# Altium PCB PIC32MZ_cam.PcbDoc (part 3 of 4)
Units mm, origin at the board's own origin, x right, y up, seen from the top; angles counter-clockwise.
Board outline 61.35 x 22.68 mm, 2 copper layers (Top Layer, Bottom Layer); 224 components, 62 nets, 1546 pads, 748 vias.
Unrouted connection lines stored in the file: 95.
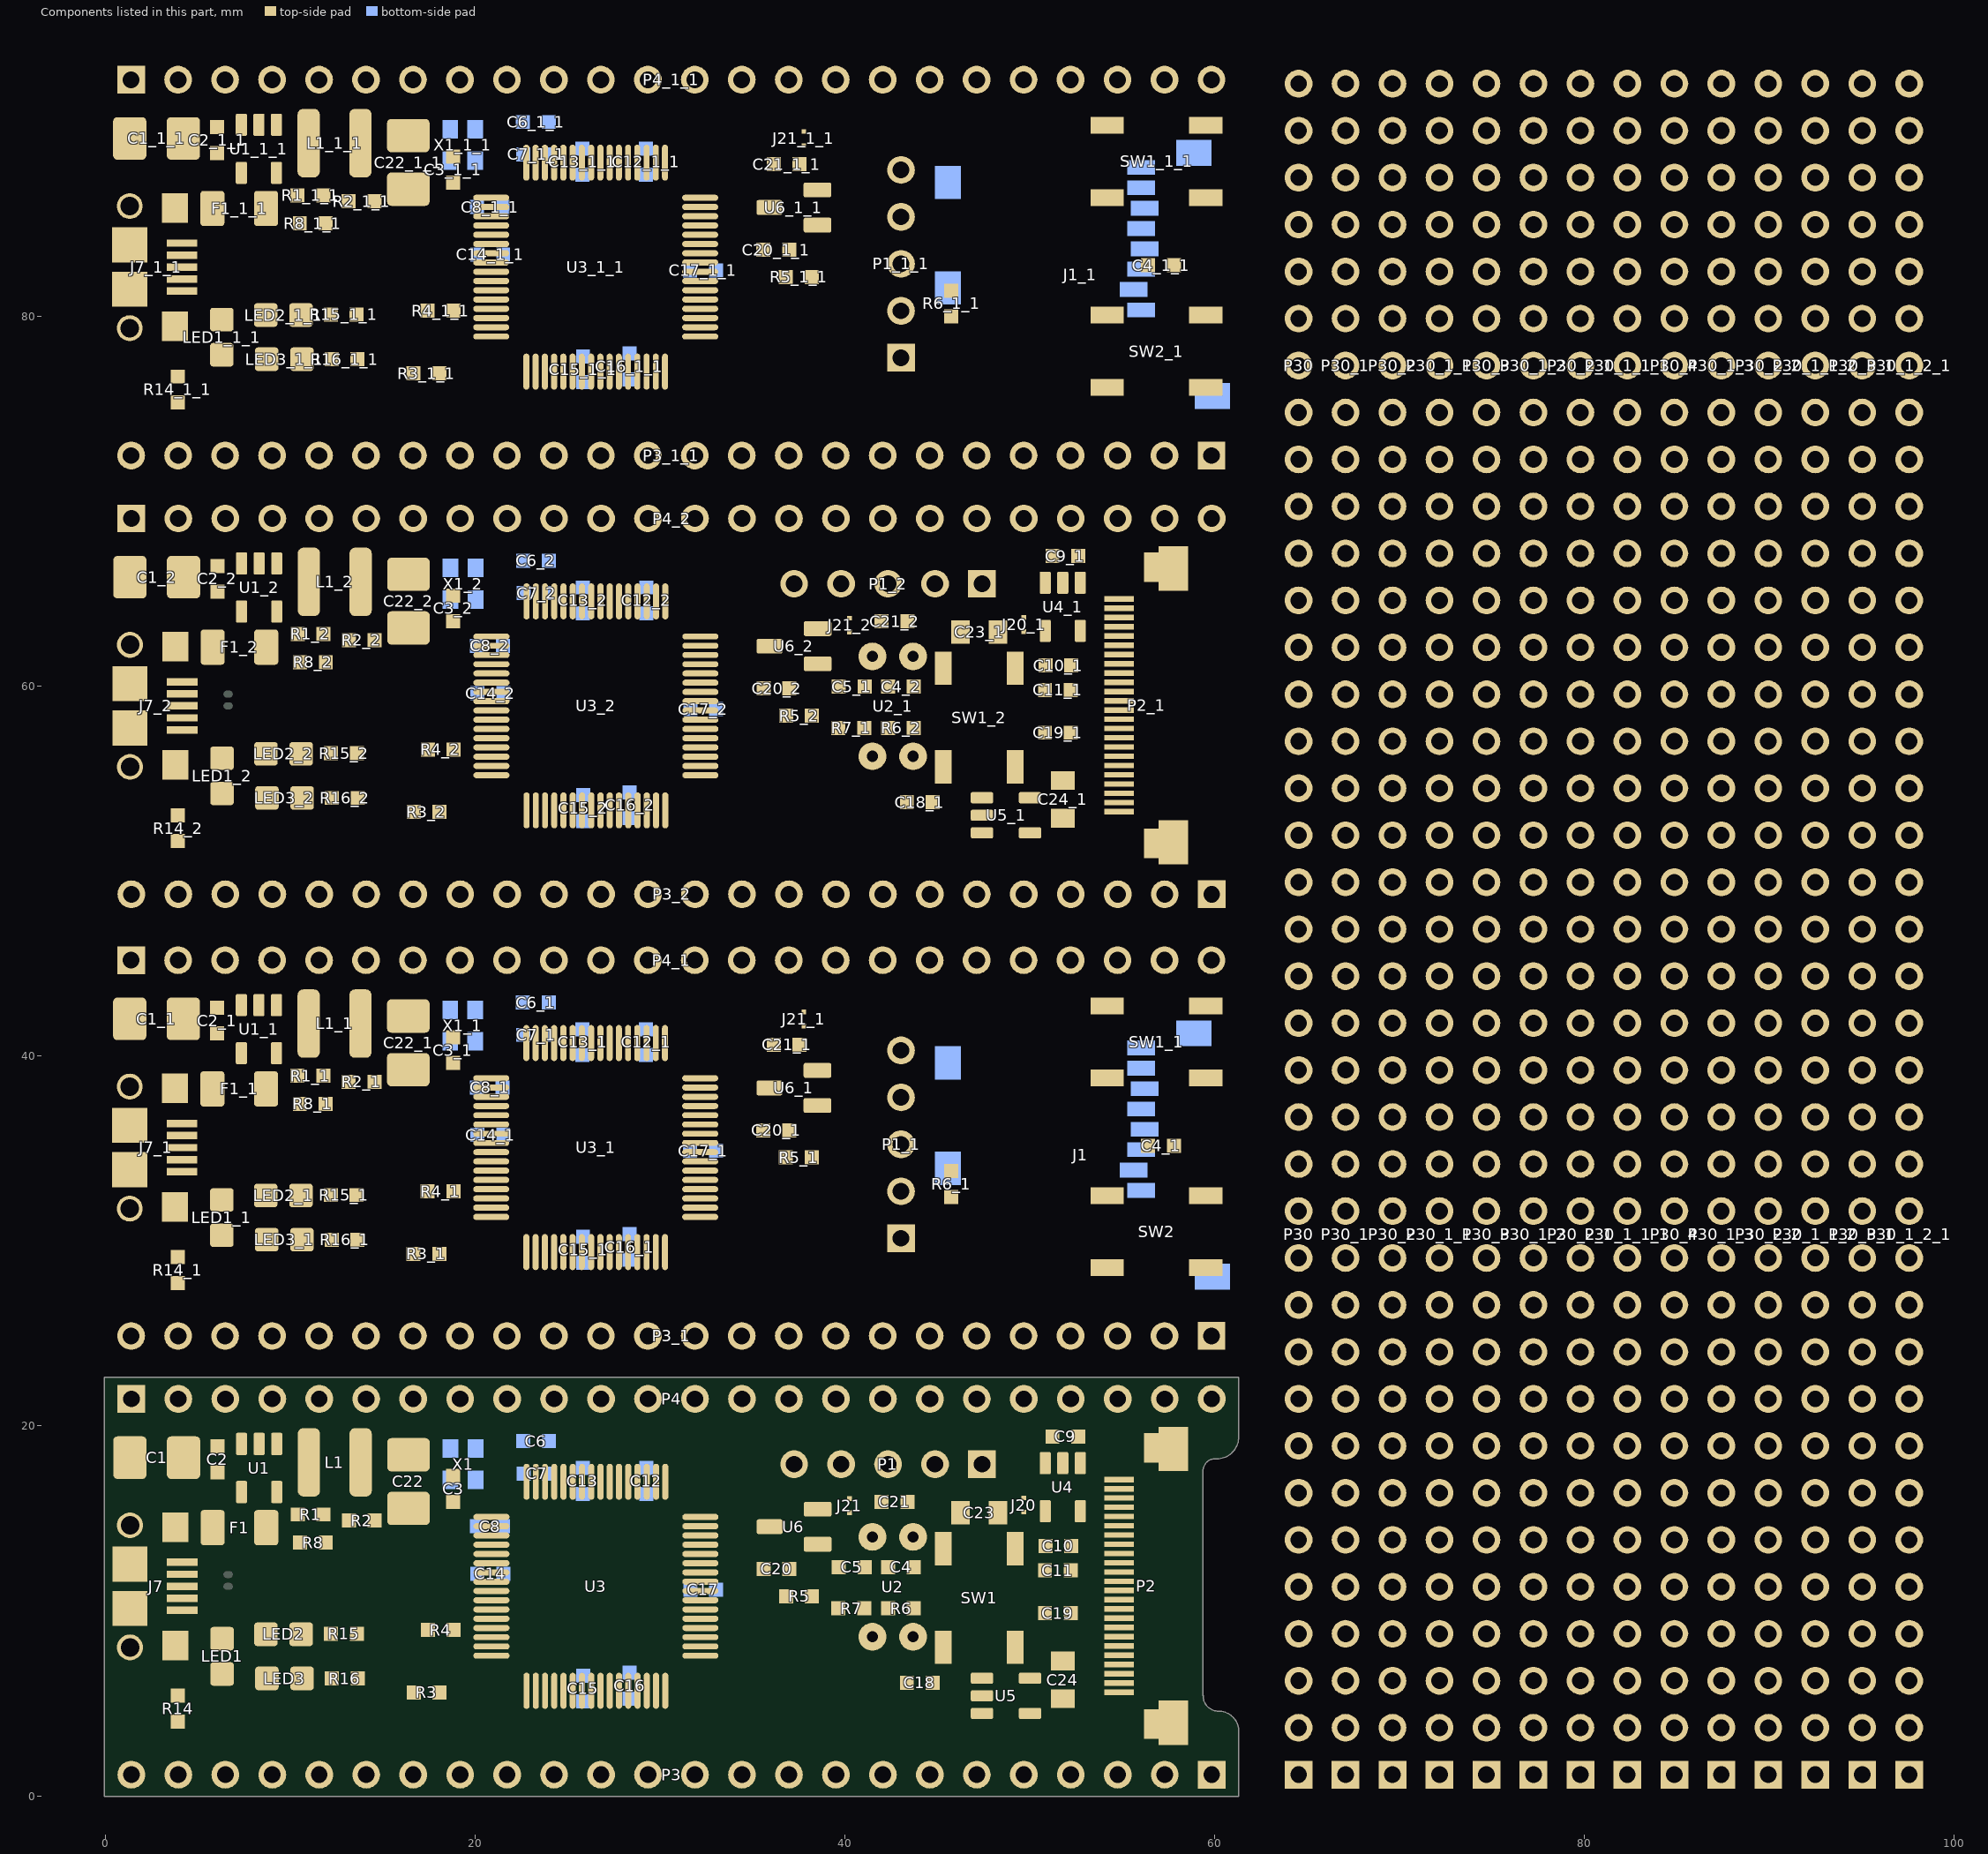
[diagram p3: the components of this part, seen from the top]

## Via types
v1: diameter 0.635, hole 0.305, Top Layer to Bottom Layer, tented both sides, 430 vias
v2: diameter 0.66, hole 0.305, Top Layer to Bottom Layer, tented both sides, 318 vias

## Nets (pads, with @x,y where several pads share a name; then routed paths per layer and width w, separated by ;. In a path a pad name is that pad's centre, name@x,y a point inside that pad or via, vN(x,y) a via of type N, cw(c..) or ccw(c..) an arc to the next point about the centre after c; other vN are vias at no path point) (continued)
copper on no net: | length 4198.7
  Top Layer w0.203: 40.083,63.049 40.338,63.049 40.364,63.049 40.488,63.049 40.563,62.973 40.738,62.973 41.275,63.51 41.986,63.51 ; 40.083,63.634 41.123,64.674 41.123,66.965
  Top Layer w0.254: 8.727,38.252 8.955,38.024 v2(9.768,38.024) 8.983,38.024 ; 8.727,85.862 8.955,85.634 v2(9.768,85.634) 8.983,85.634 ; 8.738,62.139 8.966,61.91 v2(9.779,61.91) 8.994,61.91 ; 9.27,42.753 9.87,43.352 v2(9.87,43.815) ; 9.27,90.363 9.87,90.962 v2(9.87,91.425) ; 9.281,66.639 9.881,67.238 v2(9.881,67.701) ; 24.282,40.626 24.282,40.704 ; 24.282,88.236 24.282,88.313 ; 24.293,64.512 24.293,64.59 ; 24.782,40.626 24.782,40.704 ; 24.782,88.236 24.782,88.313 ; 24.793,64.512 24.793,64.59 ; 25.282,40.626 25.282,40.704 ; 25.282,88.236 25.282,88.313 ; 25.293,64.512 25.293,64.59 ; 26.782,40.626 26.782,40.704 ; 26.782,88.236 26.782,88.313 ; 26.793,64.512 26.793,64.59 ; 27.269,29.312 27.282,29.326 ; 27.269,76.922 27.282,76.936 ; 27.28,53.199 27.293,53.212 ; 27.282,40.626 27.282,40.704 ; 27.282,88.236 27.282,88.313 ; 27.294,29.82 27.294,27.915 29.275,25.933 38.445,25.933 39.511,24.867 ; 27.293,64.512 27.293,64.59 ; 27.294,77.43 27.294,75.524 29.275,73.543 38.445,73.543 39.511,72.476 ; 27.305,53.707 27.305,51.801 29.286,49.82 38.456,49.82 39.522,48.753 ; 28.282,40.626 28.282,40.704 ; 28.282,88.236 28.282,88.313 ; 28.293,64.512 28.293,64.59 ; 28.807,29.834 28.807,27.925 30.418,26.314 40.604,26.314 42.051,24.867 ; 28.807,77.444 28.807,75.535 30.418,73.924 40.604,73.924 42.051,72.476 ; 28.818,53.72 28.818,51.811 30.429,50.201 40.615,50.201 42.062,48.753 ; 29.282,29.326 29.282,27.989 30.576,26.695 42.763,26.695 44.591,24.867 ; 29.282,76.936 29.282,75.599 30.576,74.305 42.763,74.305 44.591,72.476 ; 29.293,53.212 29.293,51.876 30.587,50.582 42.774,50.582 44.602,48.753 ; 29.307,29.326 29.307,29.834 ; 29.307,76.936 29.307,77.444 ; 29.318,53.212 29.318,53.72 ; 29.782,29.326 29.782,28.028 30.734,27.076 44.52,27.076 46.729,24.867 47.131,24.867 ; 29.782,76.936 29.782,75.638 30.734,74.686 44.52,74.686 46.729,72.476 47.131,72.476 ; 29.793,53.212 29.793,51.914 30.745,50.963 44.531,50.963 46.74,48.753 47.142,48.753 ; 30.282,40.626 30.321,40.665 ; 30.282,88.236 30.321,88.275 ; 30.293,64.512 30.332,64.551 ; 31.561,25.197 31.891,24.867 ; 31.561,72.807 31.891,72.476 ; 31.572,49.083 31.902,48.753 ; 32.182,33.804 32.425,33.804 ; 32.182,81.413 32.425,81.413 ; 32.193,57.69 32.436,57.69 ; 32.27,35.814 32.296,35.789 33.847,35.789 v2(34,35.941) ; 32.27,83.424 32.296,83.398 33.847,83.398 v2(34,83.551) ; 32.281,59.7 32.307,59.675 33.858,59.675 v2(34.011,59.827) ; 39.511,44.907 39.511,45.187 ; 39.511,92.517 39.511,92.796 ; 39.522,68.793 39.522,69.073 ; 52.222,69.073 52.654,69.073 55.397,66.33 55.397,65.898 57.328,63.967 v2(57.683,63.967) ; v2(52.934,53.68) 52.934,53.96 53.34,54.366 53.34,56.271 53.782,56.714 54.828,56.714 ; v2(53.264,61.885) 53.264,61.859 53.289,61.834 53.669,62.214 54.828,62.214 ; v2(53.391,58.125) 53.391,58.151 53.34,58.202 53.852,58.714 54.828,58.714 ; v2(54.127,51.725) 53.594,52.258 53.594,53.909 53.899,54.214 54.828,54.214 ; 54.828,54.714 55.812,54.714 56.032,54.493 56.032,53.102 55.316,52.385 v2(54.94,52.385) ; 54.828,55.214 55.972,55.214 56.413,54.773 56.413,52.944 55.067,51.598 v2(55.067,51.344) ; 54.828,56.214 56.801,56.214 57.353,55.662 57.353,54.519 v2(57.175,54.341) ; 54.828,57.214 56.34,57.214 57.81,55.743 57.81,53.604 v2(57.683,53.477) ; 54.828,58.214 56.96,58.214 57.988,57.186 58.064,57.262 v2(58.064,57.389) ; 54.828,59.214 56.722,59.214 57.658,58.278 v2(58.191,58.278)
  Top Layer w0.305: 4.16,34.404 15.52,34.404 17.42,36.304 20.882,36.304 ; 4.16,35.054 5.138,35.054 5.238,35.154 15.197,35.154 16.899,36.855 19.703,36.855 19.755,36.804 20.882,36.804 ; 4.16,35.704 5.138,35.704 5.256,35.585 15.018,35.585 16.72,37.287 19.738,37.287 19.755,37.304 20.882,37.304 ; 4.16,82.013 15.52,82.013 17.42,83.913 20.882,83.913 ; 4.16,82.663 5.138,82.663 5.238,82.763 15.197,82.763 16.899,84.465 19.703,84.465 19.755,84.413 20.882,84.413 ; 4.16,83.313 5.138,83.313 5.256,83.195 15.018,83.195 16.72,84.897 19.738,84.897 19.755,84.913 20.882,84.913 ; 4.171,58.29 15.531,58.29 17.431,60.19 20.893,60.19 ; 4.171,58.94 5.149,58.94 5.249,59.04 15.208,59.04 16.91,60.742 19.714,60.742 19.766,60.69 20.893,60.69 ; 4.171,59.59 5.149,59.59 5.267,59.472 15.029,59.472 16.731,61.173 19.749,61.173 19.766,61.19 20.893,61.19 ; 6.491,24.867 6.491,25.248 9.489,28.245 21.63,28.245 22.265,28.88 22.265,32.029 21.991,32.304 20.882,32.304 ; 6.491,72.476 6.491,72.857 9.489,75.855 21.63,75.855 22.265,76.49 22.265,79.639 21.991,79.913 20.882,79.913 ; 6.502,48.753 6.502,49.134 9.5,52.131 21.641,52.131 22.276,52.766 22.276,55.916 22.002,56.19 20.893,56.19 ; 9.031,24.867 9.031,25.248 11.546,27.762 22.189,27.762 22.782,28.356 22.782,29.404 ; 9.031,72.476 9.031,72.857 11.546,75.372 22.189,75.372 22.782,75.965 22.782,77.013 ; 9.042,48.753 9.042,49.134 11.557,51.648 22.2,51.648 22.793,52.242 22.793,53.29 ; 9.27,40.153 9.27,39.766 10.403,38.633 ; 9.27,87.763 9.27,87.376 10.403,86.243 ; 9.281,64.039 9.281,63.652 10.414,62.52 ; v2(9.768,38.024) 10.378,37.414 10.53,37.414 ; v2(9.768,85.634) 10.378,85.024 10.53,85.024 ; v2(9.779,61.91) 10.389,61.3 10.541,61.3 ; 10.403,38.735 10.962,38.176 12.435,38.176 12.956,38.697 ; 10.403,86.345 10.962,85.786 12.435,85.786 12.956,86.307 ; 10.414,62.621 10.973,62.062 12.446,62.062 12.967,62.583 ; 10.594,32.461 12.181,32.461 12.206,32.487 ; 10.594,80.071 12.181,80.071 12.206,80.096 ; 10.604,56.347 12.192,56.347 12.217,56.373 ; 10.644,30.074 12.257,30.074 ; 10.644,77.683 12.257,77.683 ; 10.655,53.96 12.268,53.96 ; 11.571,24.867 14.01,27.305 22.342,27.305 23.282,28.245 23.282,29.404 ; 11.571,72.476 14.01,74.915 22.342,74.915 23.282,75.855 23.282,77.013 ; 11.582,48.753 14.021,51.191 22.353,51.191 23.293,52.131 23.293,53.29 ; 11.8,37.414 12.41,36.805 15.178,36.805 16.245,37.871 17.871,37.871 18.803,38.804 20.882,38.804 ; 11.8,38.938 12.308,39.446 12.791,39.446 13.959,40.615 14.137,40.615 14.137,41.43 13.81,41.758 ; 11.8,85.024 12.41,84.414 15.178,84.414 16.245,85.481 17.871,85.481 18.803,86.413 20.882,86.413 ; 11.8,86.548 12.308,87.056 12.791,87.056 13.959,88.224 14.137,88.224 14.137,89.04 13.81,89.367 ; 11.811,61.3 12.421,60.691 15.189,60.691 16.256,61.758 17.882,61.758 18.814,62.69 20.893,62.69 ; 11.811,62.824 12.319,63.332 12.802,63.332 13.97,64.501 14.148,64.501 14.148,65.317 13.821,65.644 ; 13.603,32.487 14.286,31.804 ; 13.603,80.096 14.286,79.413 ; 13.614,56.373 14.297,55.69 ; 14.111,24.867 16.118,26.873 22.521,26.873 23.789,28.141 23.789,29.815 23.807,29.834 ; 14.111,30.074 v2@14.721,30.074 ; 14.111,45.187 15.331,43.967 17.871,43.967 20.385,41.453 20.385,40.919 25.592,35.712 v2(25.592,33.452) ; 14.111,72.476 16.118,74.483 22.521,74.483 23.789,75.751 23.789,77.425 23.807,77.444 ; 14.111,77.683 v2@14.721,77.683 ; 14.111,92.796 15.331,91.577 17.871,91.577 20.385,89.063 20.385,88.529 25.592,83.322 v2(25.592,81.062) ; 14.122,48.753 16.129,50.759 22.532,50.759 23.8,52.027 23.8,53.701 23.818,53.72 ; 14.122,53.96 v2@14.732,53.96 ; 14.122,69.073 15.342,67.854 17.882,67.854 20.396,65.339 20.396,64.806 25.603,59.599 v2(25.603,57.338) ; v2(14.746,33.122) 14.975,33.122 15.356,33.503 17.896,33.503 18.697,34.304 20.882,34.304 ; v2(14.746,80.731) 14.975,80.731 15.356,81.112 17.896,81.112 18.697,81.913 20.882,81.913 ; v2(14.757,57.008) 14.986,57.008 15.367,57.389 17.907,57.389 18.708,58.19 20.893,58.19 ; v2(14.848,31.547) 14.543,31.547 14.286,31.804 ; v2(14.848,79.157) 14.543,79.157 14.286,79.413 ; v2(14.859,55.433) 14.554,55.433 14.297,55.69 ; v2(14.95,30.226) 14.95,30.302 15.951,31.304 20.882,31.304 ; v2(14.95,77.836) 14.95,77.912 15.951,78.913 20.882,78.913 ; v2(14.961,54.112) 14.961,54.188 15.962,55.19 20.893,55.19 ; 16.651,24.867 18.226,26.441 22.7,26.441 24.271,28.013 24.271,29.404 ; 16.651,45.187 16.729,45.187 17.516,44.399 18.049,44.399 20.817,41.632 20.817,41.098 26.176,35.739 ; 16.651,72.476 18.226,74.051 22.7,74.051 24.271,75.623 24.271,77.013 ; 16.651,92.796 16.729,92.796 17.516,92.009 18.049,92.009 20.817,89.242 20.817,88.708 26.176,83.349 ; 16.662,48.753 18.237,50.328 22.711,50.328 24.282,51.899 24.282,53.29 ; 16.662,69.073 16.74,69.073 17.527,68.285 18.06,68.285 20.828,65.518 20.828,64.985 29.008,56.805 v2(29.362,56.805) ; v2(17.109,34.239) 17.566,34.239 18.13,34.804 20.882,34.804 22.183,34.804 22.671,34.315 23.205,34.315 v2(23.281,34.392) ; v2(17.109,81.849) 17.566,81.849 18.13,82.413 20.882,82.413 22.183,82.413 22.671,81.925 23.205,81.925 v2(23.281,82.001) ; v2(17.12,58.125) 17.577,58.125 18.141,58.69 20.893,58.69 22.194,58.69 22.682,58.202 23.216,58.202 v2(23.292,58.278) ; 18.074,29.312 19.014,29.312 v2(19.039,29.337) ; 18.074,76.921 19.014,76.921 v2(19.039,76.947) ; 18.085,53.198 19.025,53.198 v2(19.05,53.223) ; 18.582,32.563 19.323,33.304 20.882,33.304 22.464,33.304 23.205,32.563 v2(23.357,32.563) ; 18.582,80.173 19.323,80.913 20.882,80.913 22.464,80.913 23.205,80.173 v2(23.357,80.173) ; 18.593,56.449 19.334,57.19 20.893,57.19 22.475,57.19 23.216,56.449 v2(23.368,56.449) ; v2(19.166,38.1) 19.462,37.804 20.882,37.804 ; v2(19.166,85.71) 19.462,85.413 20.882,85.413 ; v2(19.177,61.986) 19.473,61.69 20.893,61.69 ; 19.191,24.867 20.334,26.01 22.879,26.01 24.779,27.91 24.779,29.806 24.807,29.834 ; 19.191,45.187 20.03,45.187 21.452,43.764 22.087,43.764 23.782,42.069 23.782,40.704 23.782,40.626 ; 19.191,72.476 20.334,73.619 22.879,73.619 24.779,75.52 24.779,77.416 24.807,77.444 ; 19.191,92.796 20.03,92.796 21.452,91.374 22.087,91.374 23.782,89.679 23.782,88.313 23.782,88.236 ; 19.202,48.753 20.345,49.896 22.89,49.896 24.79,51.797 24.79,53.692 24.818,53.72 ; 19.202,69.073 20.041,69.073 21.463,67.65 22.098,67.65 23.793,65.955 23.793,64.59 23.793,64.512 ; v2(19.268,35.611) 19.575,35.304 20.882,35.304 ; v2(19.268,83.221) 19.575,82.913 20.882,82.913 ; v2(19.279,59.497) 19.586,59.19 20.893,59.19 ; 20.882,31.804 14.286,31.804 ; 20.882,32.804 22.151,32.804 23.382,31.572 v2(23.382,31.674) ; 20.882,33.804 22.904,33.804 v2(23.23,33.477) ; 20.882,35.794 v2@22.499,35.794 ; 20.882,38.304 22.061,38.304 v2(22.392,37.973) 22.499,37.866 v2@22.499,35.814 ; 20.882,79.413 14.286,79.413 ; 20.882,80.413 22.151,80.413 23.382,79.182 v2(23.382,79.284) ; 20.882,81.413 22.904,81.413 v2(23.23,81.087) ; 20.882,83.404 v2@22.499,83.404 ; 20.882,85.913 22.061,85.913 v2(22.392,85.583) 22.499,85.476 v2@22.499,83.424 ; 20.893,55.69 14.297,55.69 ; 20.893,56.69 22.162,56.69 23.393,55.458 v2(23.393,55.56) ; 20.893,57.69 22.915,57.69 v2(23.241,57.363) ; 20.893,59.68 v2@22.51,59.68 ; 20.893,62.19 22.072,62.19 v2(22.403,61.859) 22.51,61.752 v2@22.51,59.7 ; v2(21.579,42.799) 22.274,42.799 23.282,41.791 23.282,40.704 ; v2(21.579,90.409) 22.274,90.409 23.282,89.401 23.282,88.313 ; v2(21.59,66.685) 22.285,66.685 23.293,65.678 23.293,64.59 ; v2(21.604,41.783) 22.316,41.783 22.782,41.317 22.782,40.704 ; v2(21.604,89.393) 22.316,89.393 22.782,88.926 22.782,88.313 ; v2(21.615,65.669) 22.327,65.669 22.793,65.203 22.793,64.59 ; 21.731,45.187 24.282,42.636 24.282,40.704 ; 21.731,92.796 24.282,90.246 24.282,88.313 ; 21.742,69.073 24.293,66.522 24.293,64.59 ; 23.307,29.404 23.307,29.834 ; 23.307,77.013 23.307,77.444 ; 23.318,53.29 23.318,53.72 ; v2(24.028,54.976) 24.155,54.976 24.293,54.838 24.293,53.29 ; 24.271,45.187 24.782,44.676 24.782,40.704 ; 24.271,92.796 24.782,92.286 24.782,88.313 ; 24.282,69.073 24.793,68.562 24.793,64.59 ; 25.282,29.404 25.282,30.881 v2(25.491,31.09) ; 25.282,40.704 25.282,43.657 26.811,45.187 ; 25.282,77.013 25.282,78.491 v2(25.491,78.699) ; 25.282,88.313 25.282,91.267 26.811,92.796 ; 25.293,53.29 25.293,54.767 v2(25.502,54.976) ; 25.293,64.59 25.293,67.543 26.822,69.073 ; v2(25.694,39.268) 25.782,39.357 25.782,40.704 ; v2(25.694,86.878) 25.782,86.966 25.782,88.313 ; v2(25.705,63.155) 25.793,63.243 25.793,64.59 ; 25.782,29.404 25.782,27.801 v2(25.795,27.788) ; 25.782,77.013 25.782,75.411 v2(25.795,75.397) ; 25.793,53.29 25.793,51.687 v2(25.806,51.674) ; v2(26.049,42.57) 26.282,42.338 26.282,40.704 ; v2(26.049,90.18) 26.282,89.948 26.282,88.313 ; v2(26.06,66.457) 26.293,66.224 26.293,64.59 ; 26.176,35.738 26.282,35.632 ; 26.176,83.348 26.282,83.242 ; 26.282,29.404 26.282,35.632 ; 26.282,77.013 26.282,83.242 ; 26.293,53.29 26.293,59.373 ; 26.782,29.326 26.782,29.404 26.782,33.397 v2(26.913,33.528) ; 26.782,40.704 26.782,42.617 29.351,45.187 ; 26.782,76.936 26.782,77.013 26.782,81.007 v2(26.913,81.138) ; 26.782,88.313 26.782,90.227 29.351,92.796 ; 26.793,53.212 26.793,53.29 26.793,57.283 v2(26.924,57.414) ; 26.793,64.59 26.793,66.503 29.362,69.073 ; 27.282,40.704 27.282,42.484 28.613,43.815 30.52,43.815 31.891,45.187 ; 27.282,88.313 27.282,90.094 28.613,91.425 30.52,91.425 31.891,92.796 ; 27.293,64.59 27.293,66.371 28.624,67.701 30.531,67.701 31.902,69.073 ; 27.782,29.404 27.782,28.265 v2(28.208,27.838) ; 27.782,40.704 27.782,42.374 28.792,43.383 32.857,43.383 34.431,44.958 34.431,45.187 ; 27.782,77.013 27.782,75.875 v2(28.208,75.448) ; 27.782,88.313 27.782,89.984 28.792,90.993 32.857,90.993 34.431,92.568 34.431,92.796 ; 27.793,53.29 27.793,52.151 v2(28.219,51.725) ; 27.793,64.59 27.793,66.26 28.803,67.269 32.868,67.269 34.442,68.844 34.442,69.073 ; v2(28.132,31.115) 28.282,30.965 28.282,29.404 ; v2(28.132,78.725) 28.282,78.575 28.282,77.013 ; v2(28.143,55.001) 28.293,54.851 28.293,53.29 ; 28.208,38.862 28.782,39.436 28.782,40.704 28.795,40.716 28.795,41.912 v2(29.224,42.342) ; 28.208,86.472 28.782,87.045 28.782,88.313 28.795,88.326 28.795,89.522 v2(29.224,89.952) ; 28.219,62.748 28.793,63.322 28.793,64.59 28.806,64.602 28.806,65.798 v2(29.235,66.228) ; 28.282,40.704 28.282,42.263 28.97,42.951 34.127,42.951 36.362,45.187 36.971,45.187 ; 28.282,88.313 28.282,89.873 28.97,90.561 34.127,90.561 36.362,92.796 36.971,92.796 ; 28.293,64.59 28.293,66.149 28.981,66.838 34.138,66.838 36.373,69.073 36.982,69.073 ; v2(29.148,38.76) 29.275,38.887 29.275,40.697 29.282,40.704 ; v2(29.148,86.37) 29.275,86.497 29.275,88.307 29.282,88.313 ; v2(29.159,62.647) 29.286,62.774 29.286,64.583 29.293,64.59 ; v2(29.555,32.766) 29.148,32.766 26.282,35.632 ; v2(29.555,80.376) 29.148,80.376 26.282,83.242 ; 29.782,40.704 29.782,41.807 30.164,42.189 31.079,42.189 v2(31.231,42.037) ; 29.782,88.313 29.782,89.417 30.164,89.799 31.079,89.799 v2(31.231,89.647) ; 29.793,64.59 29.793,65.693 30.175,66.076 31.09,66.076 v2(31.242,65.923) ; 30.282,29.326 30.282,28.279 31.079,27.483 44.688,27.483 46.11,26.06 48.478,26.06 49.671,24.867 ; 30.282,40.704 30.447,40.869 31.612,40.869 v2(32.349,41.605) ; 30.282,76.936 30.282,75.889 31.079,75.093 44.688,75.093 46.11,73.67 48.478,73.67 49.671,72.476 ; 30.282,88.313 30.447,88.478 31.612,88.478 v2(32.349,89.215) ; 30.293,53.212 30.293,52.166 31.09,51.369 44.699,51.369 46.121,49.947 48.489,49.947 49.682,48.753 ; 30.293,64.59 30.458,64.755 31.623,64.755 v2(32.36,65.491) ; v2(30.571,34.798) 30.576,34.804 32.182,34.804 ; v2(30.571,82.408) 30.576,82.413 32.182,82.413 ; v2(30.582,58.684) 30.587,58.69 32.193,58.69 ; 30.672,36.372 30.012,37.032 30.012,38.828 31.311,40.127 31.971,40.127 35.811,43.967 43.626,43.967 44.591,44.933 44.591,45.187 ; 30.672,83.982 30.012,84.642 30.012,86.438 31.311,87.737 31.971,87.737 35.811,91.577 43.626,91.577 44.591,92.542 44.591,92.796 ; 30.673,36.372 30.748,36.297 32.175,36.297 32.182,36.304 ; 30.673,83.982 30.748,83.906 32.175,83.906 32.182,83.913 ; 30.683,60.258 30.023,60.918 30.023,62.714 31.322,64.014 31.982,64.014 35.822,67.854 43.637,67.854 44.602,68.819 44.602,69.073 ; 30.684,60.258 30.759,60.183 32.186,60.183 32.193,60.19 ; 30.723,34.011 31.016,34.304 32.182,34.304 33.632,34.304 v2(33.873,34.544) ; 30.723,81.62 31.016,81.913 32.182,81.913 33.632,81.913 v2(33.873,82.154) ; 30.734,57.897 31.027,58.19 32.193,58.19 33.643,58.19 v2(33.884,58.43) ; v2(31.471,52.08) 31.648,51.902 38.887,51.902 v2(39.014,52.029) ; 32.161,33.325 32.182,33.304 30.854,33.304 30.266,32.715 30.266,30.987 31.662,29.591 33.72,29.591 v2@33.847,29.464 ; 32.161,80.935 32.182,80.913 30.854,80.913 30.266,80.325 30.266,78.597 31.662,77.201 33.72,77.201 v2@33.847,77.074 ; 32.172,57.211 32.193,57.19 30.865,57.19 30.277,56.601 30.277,54.873 31.673,53.477 33.731,53.477 v2@33.858,53.35 ; 32.182,31.304 37.265,31.304 40.629,27.94 44.843,27.94 46.291,26.492 50.865,26.492 52.211,25.146 52.211,24.867 ; 32.182,31.804 37.376,31.804 40.706,28.473 44.921,28.473 46.47,26.924 52.694,26.924 54.751,24.867 ; 32.182,32.304 32.202,32.283 37.53,32.283 40.908,28.905 45.099,28.905 46.649,27.356 52.897,27.356 54.091,26.162 55.666,26.162 56.961,24.867 57.291,24.867 ; 32.182,32.804 30.989,32.804 30.698,32.512 30.698,31.166 31.536,30.328 v2(33.085,30.328) 33.212,30.201 37.454,30.201 39.13,28.524 39.029,28.423 v2(39.003,28.423) ; 32.182,35.304 36.771,35.304 36.844,35.23 36.921,35.23 ; 32.182,36.804 30.851,36.804 30.444,37.211 30.444,38.649 31.49,39.695 32.15,39.695 35.99,43.536 45.48,43.536 47.131,45.187 ; 32.182,37.304 36.607,37.304 37.403,38.1 41.239,38.1 42.178,39.04 44.642,39.04 49.671,44.069 49.671,45.187 ; 32.182,37.804 33.449,37.804 35.066,39.421 35.066,41.139 v2(35.193,41.266) ; 32.182,38.304 33.339,38.304 34.381,39.346 34.381,40.453 v2(34.457,40.529) ; 32.182,38.804 32.874,38.804 33.492,39.421 33.492,40.426 36.144,43.078 37.81,43.078 ; 32.182,78.913 37.265,78.913 40.629,75.55 44.843,75.55 46.291,74.102 50.865,74.102 52.211,72.756 52.211,72.476 ; 32.182,79.413 37.376,79.413 40.706,76.083 44.921,76.083 46.47,74.534 52.694,74.534 54.751,72.476 ; 32.182,79.913 32.202,79.893 37.53,79.893 40.908,76.515 45.099,76.515 46.649,74.966 52.897,74.966 54.091,73.772 55.666,73.772 56.961,72.476 57.291,72.476 ; 32.182,80.413 30.989,80.413 30.698,80.122 30.698,78.776 31.536,77.937 v2(33.085,77.937) 33.212,77.81 37.454,77.81 39.13,76.134 39.029,76.032 v2(39.003,76.032) ; 32.182,82.913 36.771,82.913 36.844,82.84 36.921,82.84 ; 32.182,84.413 30.851,84.413 30.444,84.821 30.444,86.259 31.49,87.305 32.15,87.305 35.99,91.145 45.48,91.145 47.131,92.796 ; 32.182,84.913 36.607,84.913 37.403,85.71 41.239,85.71 42.178,86.65 44.642,86.65 49.671,91.679 49.671,92.796 ; 32.182,85.413 33.449,85.413 35.066,87.031 35.066,88.749 v2(35.193,88.876) ; 32.182,85.913 33.339,85.913 34.381,86.956 34.381,88.063 v2(34.457,88.139) ; 32.182,86.413 32.874,86.413 33.492,87.031 33.492,88.036 36.144,90.688 37.81,90.688 ; 32.193,55.19 37.276,55.19 40.64,51.826 44.854,51.826 46.302,50.378 50.876,50.378 52.222,49.032 52.222,48.753 ; 32.193,55.69 37.387,55.69 40.717,52.36 44.932,52.36 46.481,50.81 52.705,50.81 54.762,48.753 ; 32.193,56.19 32.213,56.17 37.541,56.17 40.919,52.791 45.11,52.791 46.66,51.242 52.908,51.242 54.102,50.048 55.677,50.048 56.972,48.753 57.302,48.753 ; 32.193,56.69 31,56.69 30.709,56.398 30.709,55.052 31.547,54.214 v2(33.096,54.214) ; 32.193,59.19 36.782,59.19 36.855,59.116 36.932,59.116 ; 32.193,60.69 30.862,60.69 30.455,61.097 30.455,62.536 31.501,63.582 32.161,63.582 36.001,67.422 45.491,67.422 47.142,69.073 ; 32.193,61.19 36.618,61.19 37.567,62.139 40.488,62.139 41.123,62.774 43.84,62.774 46.076,65.009 46.076,66.584 46.863,67.371 48.184,67.371 49.682,68.87 49.682,69.073 50.902,67.854 53.213,67.854 53.594,67.473 53.594,64.45 v2(53.264,64.12) ; 32.193,61.69 33.46,61.69 35.077,63.307 35.077,65.025 v2(35.204,65.152) ; 32.193,62.19 33.35,62.19 34.392,63.232 34.392,64.339 v2(34.468,64.416) ; 32.193,62.69 32.885,62.69 33.503,63.307 33.503,64.313 36.155,66.965 41.123,66.965 43.104,66.965 43.129,66.939 v2(43.129,66.787) ; v2(32.233,52.791) 32.512,52.512 v2(37.973,52.512) ; 32.425,33.804 34.986,33.804 v2@34.99,33.807 ; 32.425,81.413 34.986,81.413 v2@34.99,81.417 ; 32.436,57.69 34.997,57.69 35.001,57.694 35.662,57.033 38.583,57.033 39.929,55.687 39.929,55.408 40.665,54.671 42.244,54.671 43.942,56.369 43.942,57.694 ; v2(33.985,56.855) 34.239,56.601 38.1,56.601 38.506,56.195 v2(38.506,56.17) ; v2(34,29.591) 36.921,29.591 37.073,29.439 v2(37.073,29.413) ; v2(34,77.201) 36.921,77.201 37.073,77.048 v2(37.073,77.023) ; v2@34.011,53.503 36.627,53.503 v2(36.652,53.477) ; v2(34.355,32.995) 40.4,32.995 41.34,33.934 v2(46.801,33.934) ; v2(34.355,80.604) 40.4,80.604 41.34,81.544 v2(46.801,81.544) ; v2(34.849,54.544) 34.849,54.519 37.059,54.519 v2(36.982,54.442) ; v2(34.889,36.195) 35.397,36.195 35.6,35.992 ; v2(34.889,83.805) 35.397,83.805 35.6,83.602 ; v2(34.9,60.081) 35.408,60.081 35.611,59.878 ; v2(34.939,28.169) 34.99,28.219 v2(37.124,28.219) ; v2(34.939,75.778) 34.99,75.829 v2(37.124,75.829) ; 35.925,38.278 35.925,39.695 ; 35.925,85.888 35.925,87.305 ; 35.936,62.164 35.936,63.581 36.373,64.018 38.887,64.018 v2(38.989,64.12) ; 36.819,34.519 36.819,35.128 36.921,35.23 ; 36.819,82.128 36.819,82.738 36.921,82.84 ; 36.83,58.405 36.83,59.014 36.932,59.116 ; 37.581,41.681 37.433,41.681 37.379,41.627 37.4,41.606 37.556,41.45 37.556,40.615 37.556,40.197 38.525,39.228 38.775,39.478 ; 37.581,89.291 37.433,89.291 37.379,89.237 37.4,89.216 37.556,89.06 37.556,88.224 37.556,87.807 38.525,86.838 38.775,87.088 ; 37.786,42.389 37.786,42.57 37.786,43.054 37.81,43.078 ; 37.786,89.999 37.786,90.18 37.786,90.664 37.81,90.688 ; 37.998,58.557 38.379,58.557 ; 38.216,34.519 38.368,34.671 v2@39.181,34.671 ; 38.216,82.128 38.368,82.281 v2@39.181,82.281 ; 38.227,58.405 38.379,58.557 ; 38.713,62.987 38.713,62.923 40.529,62.923 ; 39.599,57.719 39.599,57.516 40.902,56.213 41.496,56.213 ; v2(39.918,41.148) 40.375,41.148 v2(41.721,39.802) ; v2(39.918,88.758) 40.375,88.758 v2(41.721,87.412) ; v2(40.223,42.088) 40.68,42.088 42.458,40.31 43.042,40.31 ; v2(40.223,89.698) 40.68,89.698 42.458,87.92 43.042,87.92 ; 40.996,57.719 41.656,57.719 ; v2@41.529,58.583 v2@41.554,58.557 ; v2@41.758,58.557 v2@41.554,58.557 ; 42.316,57.719 41.656,57.719 ; 43.042,32.69 43.347,32.385 45.76,32.385 ; 43.042,80.3 43.347,79.995 45.76,79.995 ; v2(43.118,42.901) 43.118,43.053 43.093,43.078 39.003,43.078 37.81,43.078 ; v2(43.118,90.51) 43.118,90.663 43.093,90.688 39.003,90.688 37.81,90.688 ; 45.319,60.97 45.319,61.345 45.085,61.58 45.085,63.321 45.579,63.815 45.593,63.815 47.32,65.542 47.422,65.542 47.422,65.161 ; 45.339,59.116 36.932,59.116 ; 45.396,55.789 45.364,55.82 45.364,61.091 45.396,61.123 ; v2(46.877,36.601) v2@46.89,36.589 ; v2(46.877,84.211) v2@46.89,84.199 ; v2(51.968,58.887) 51.968,59.548 52.222,59.802 ; v2(52.059,37.795) 52.059,36.855 54.701,34.214 54.701,32.455 59.958,32.455 ; v2(52.059,85.405) 52.059,84.465 54.701,81.824 54.701,80.065 59.958,80.065 ; v2(52.11,40.386) 52.211,40.488 52.211,45.187 ; v2(52.11,87.996) 52.211,88.097 52.211,92.796 ; 52.741,62.998 52.957,63.214 ; 52.83,63.214 52.957,63.214 ; 52.982,63.239 52.957,63.214 ; v2(53.061,60.488) 53.787,61.214 54.828,61.214 ; 53.416,59.776 53.853,60.214 54.828,60.214 ; 53.569,57.516 53.643,57.516 53.841,57.714 54.828,57.714 56.444,57.714 56.439,57.719 ; 54.523,39.096 54.701,39.096 ; 54.523,86.706 54.701,86.706 ; 54.701,27.971 60.035,27.971 ; 54.701,42.996 60.035,42.996 ; 54.701,75.581 60.035,75.581 ; 54.701,90.606 60.035,90.606 ; 54.828,55.714 56.361,55.714 56.718,55.357 v2(56.744,55.382) ; 54.828,59.714 56.02,59.714 v2(56.185,59.878) ; 54.828,60.714 56.314,60.714 57.175,59.853 v2(58.318,59.853) ; 54.828,61.714 56.813,61.714 57.607,60.919 v2(57.988,60.919) ; 54.828,62.714 56.448,62.714 v2(56.515,62.647) ; 54.828,63.214 52.957,63.214 ; 54.828,63.714 56.743,63.714 v2(57.963,62.494) ; 54.828,64.214 56.036,64.214 v2(56.146,64.323) ; 59.857,38.817 54.523,38.817 54.275,39.065 49.367,39.065 v2@46.89,36.589 ; 59.857,39.046 59.984,39.046 60.035,39.096 ; 59.857,86.427 54.523,86.427 54.275,86.675 49.367,86.675 v2@46.89,84.199 ; 59.857,86.655 59.984,86.655 60.035,86.706 ; 36.921,35.23 38.292,35.23 39.588,36.525 46.877,36.525 